# Altium PCB 5607.PcbDoc (part 3 of 6) (continued)
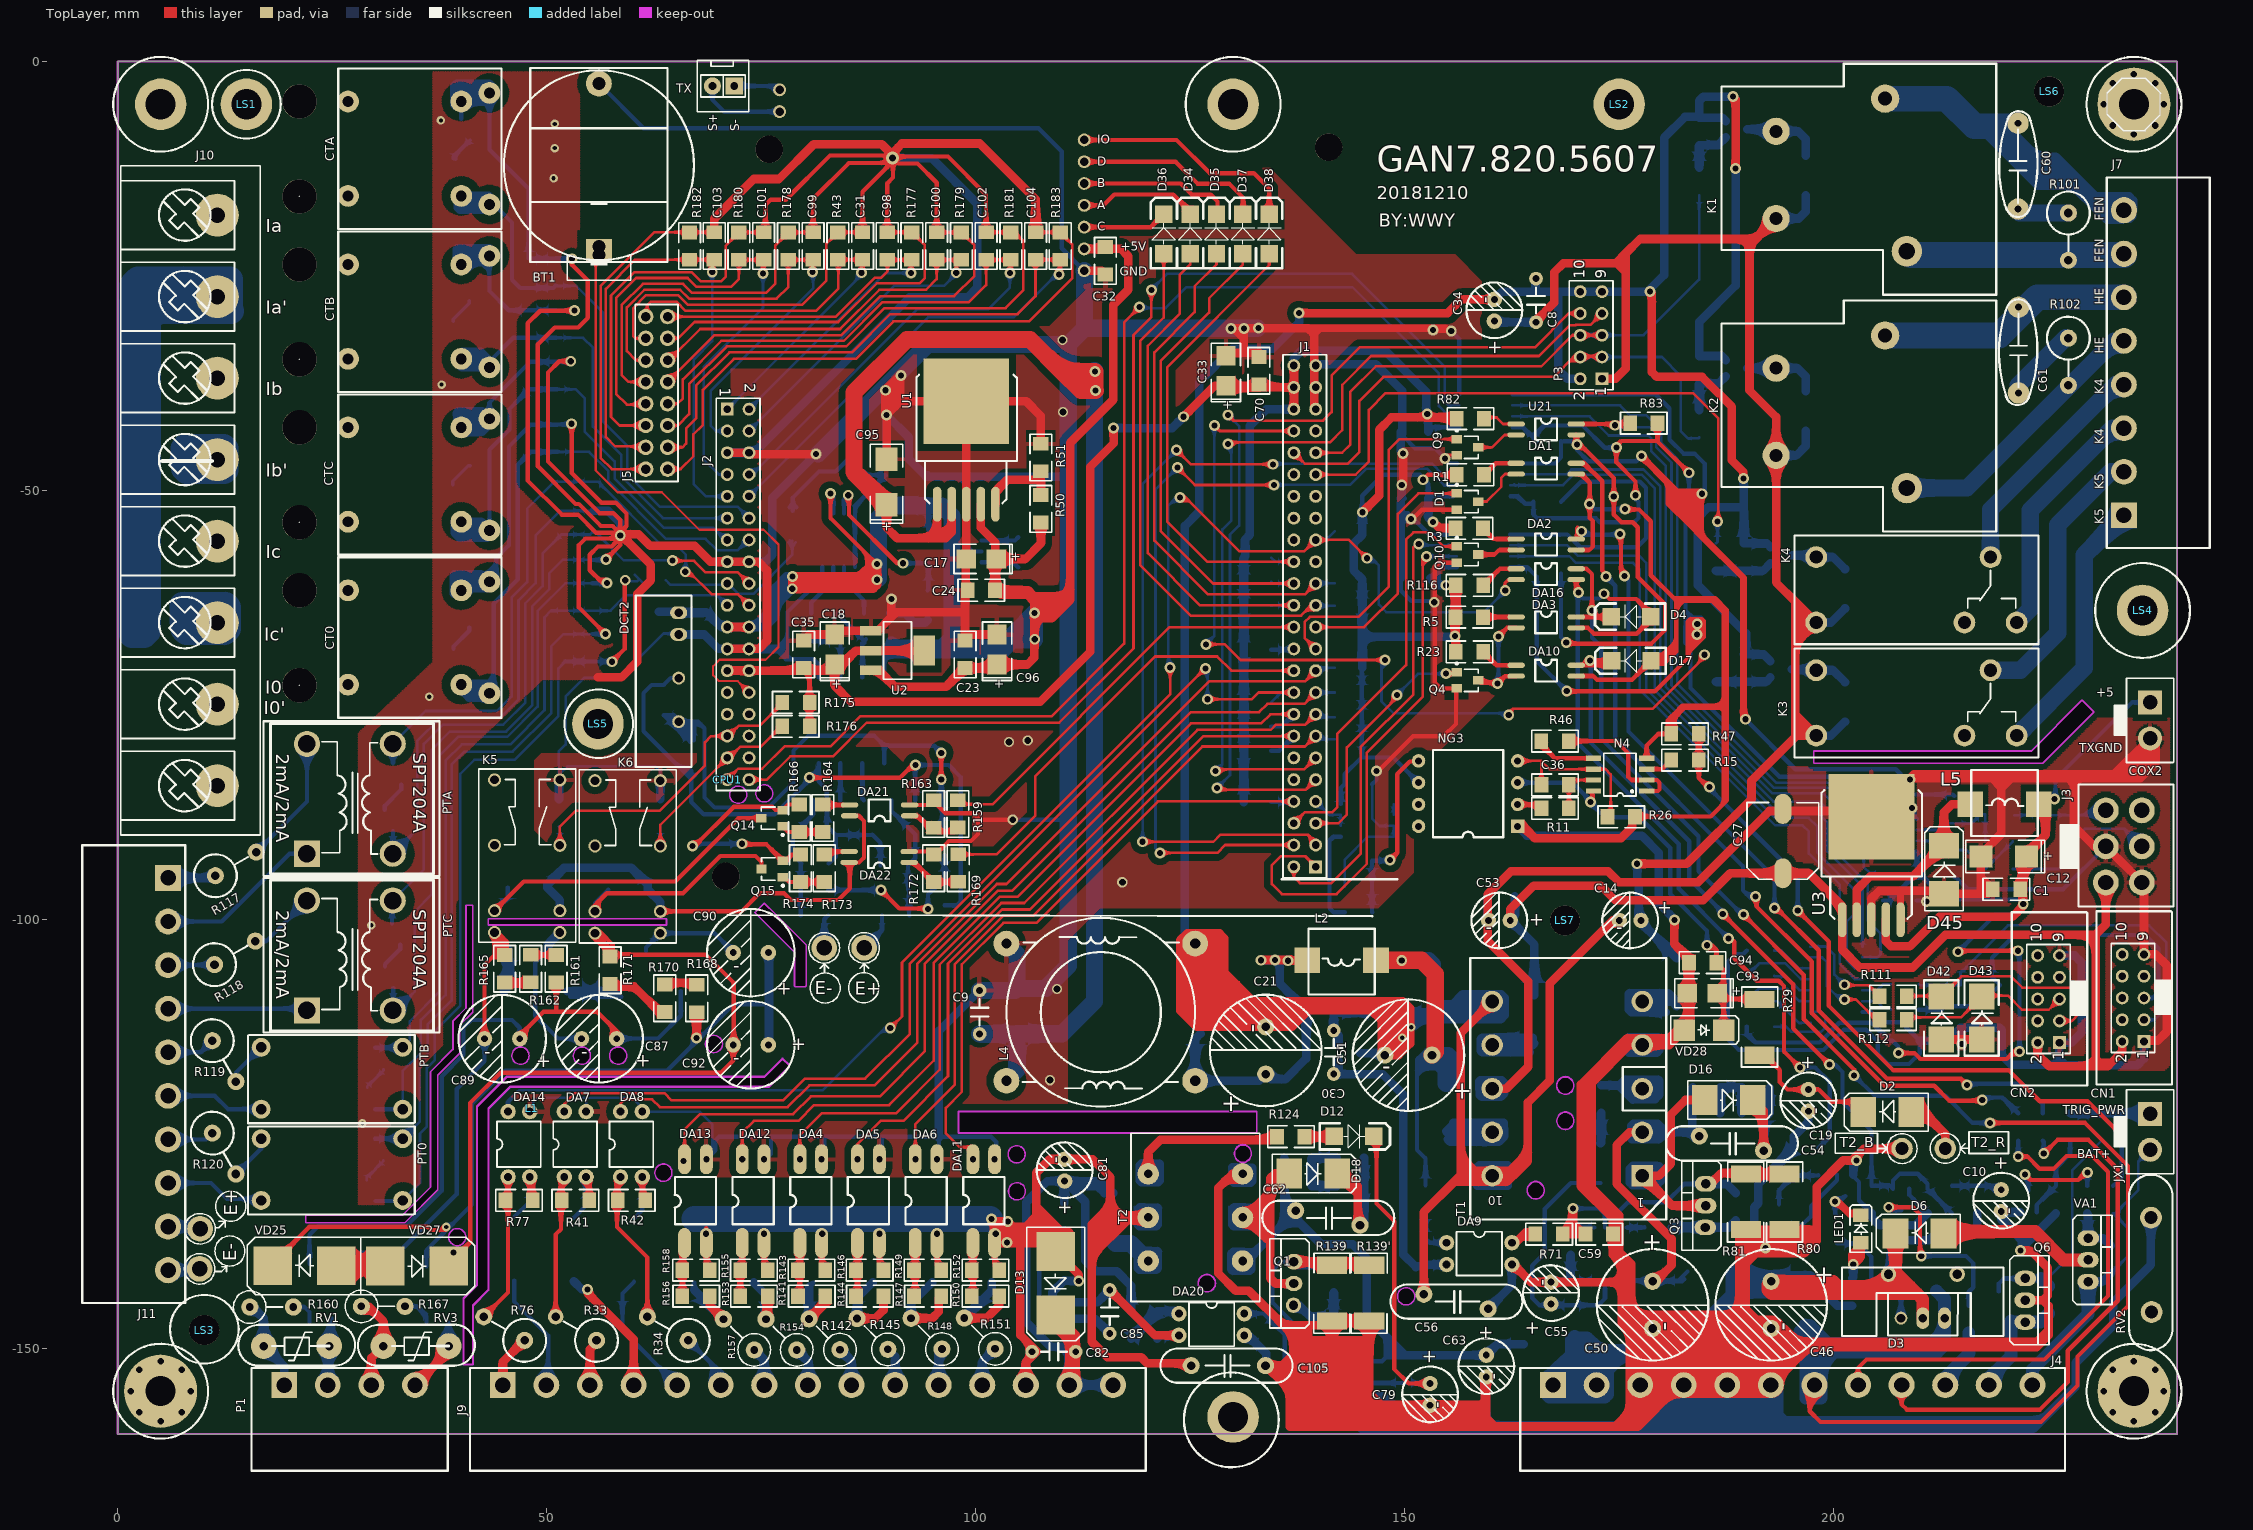
[diagram p0: TopLayer view]
## Nets (pads, with @x,y where several pads share a name; then routed paths per layer and width w, separated by ;. In a path a pad name is that pad's centre, name@x,y a point inside that pad or via, vN(x,y) a via of type N, cw(c..) or ccw(c..) an arc to the next point about the centre after c; other vN are vias at no path point) (continued)
  BottomLayer w1: J4.2@172.364,-154.28 172.364,-153.035 173.634,-151.765 174.32,-151.079 175.387,-151.079 ; 173.634,-152.984 173.634,-152.832 175.387,-151.079 ; 188.138,-143.764 188.217,-143.685 189.792,-143.685 ; D5.1@196.672,-141.701 196.697,-141.726 D5.1@198.148,-143.177 ; R7.2@202.184,-145.034 200.431,-145.034 199.082,-143.685 198.656,-143.685 ; D3.5@206.388,-141.351 206.578,-141.161 206.578,-139.014 208.178,-137.414 211.074,-137.414 211.684,-136.804 215.9,-136.804 216.713,-135.992 R17.2@216.713,-134.289 ; 175.387,-151.079 182.397,-151.079 189.792,-143.685 ; 189.792,-143.685 198.656,-143.685 ; 189.792,-143.685 190.3,-143.177 D5.1@198.148,-143.177 ; D5.1@198.148,-143.177 198.656,-143.685
  BottomLayer w1.5: J4.2@172.364,-154.28 J4.2@171.196,-154.28 ; J4.2@172.364,-153.035 172.364,-151.536 171.069,-150.241 ; 173.634,-152.984 173.634,-155.372 173.33,-155.677 166.853,-155.677 166.624,-155.448 166.624,-153.568 J4.1@167.284,-152.908 ; 173.634,-152.832 173.634,-151.765 173.634,-150.241 ; 188.217,-143.685 188.576,-143.326 ; D5.1@196.672,-141.701 D5.1@196.647,-141.726 ; D5.1@197.205,-141.726 196.697,-141.726 D5.1@196.647,-141.726 ; J4.1@167.284,-152.908 J4.1@167.284,-154.28 168.808,-154.28 ; J4.1@167.284,-152.908 168.808,-151.384 ; 168.808,-154.28 168.808,-151.384 ; 168.808,-154.28 169.875,-154.28 ; 168.808,-151.384 169.449,-150.743 D7.1@169.449,-149.504 ; D7.1@169.449,-149.504 D7.1@169.875,-149.93 ; D7.1@169.449,-149.504 169.449,-148.99 D7.1@169.799,-148.641 ; D7.1@169.449,-149.504 D7.1@169.799,-149.155 ; D7.1@169.799,-149.155 D7.1@169.799,-148.641 ; D7.1@169.799,-149.155 D7.1@170.081,-148.872 ; D7.1@169.799,-148.641 169.824,-148.615 D7.1@170.081,-148.872 ; 169.875,-154.28 D7.1@169.875,-149.93 ; 169.875,-154.28 J4.2@171.196,-154.28 ; D7.1@169.875,-149.93 170.186,-150.241 171.069,-150.241 ; D7.1@170.081,-148.872 171.069,-149.86 171.069,-150.241 ; D7.1@170.081,-148.872 170.135,-148.819 171.247,-148.819 172.669,-150.241 ; 171.069,-150.241 171.069,-152.451 171.018,-152.502 171.018,-154.102 J4.2@171.196,-154.28 ; 171.069,-150.241 172.669,-150.241 ; 172.669,-150.241 173.634,-150.241 ; 173.634,-150.241 181.661,-150.241 188.138,-143.764 188.138,-141.484 D33.1@188.576,-141.046 ; 188.576,-143.326 189.052,-142.85 195.523,-142.85 D5.1@196.647,-141.726 ; 188.576,-143.326 D33.1@188.576,-141.046 ; D33.1@188.576,-141.046 189.256,-141.726 D5.1@196.647,-141.726
NB1: J1.42 R137.1 | length 103.8
  TopLayer w0.3: v1(126.822,-67.945) 129.032,-67.945 130.861,-69.774 v1(147.701,-69.774) ; v1@127.635,-42.266 128.449,-43.08 J1.42@137.084,-43.08 ; v1@162.128,-75.971 162.662,-75.438 178.918,-75.438 184.937,-69.418 v1(184.937,-69.164)
  BottomLayer w0.3: v1(126.822,-67.945) 127.813,-66.954 v1(127.813,-42.443) v1@127.635,-42.266 ; v1@147.523,-69.774 147.295,-70.002 147.295,-74.6 148.666,-75.971 v1@162.23,-75.971 ; v1@184.934,-69.168 v1(184.937,-69.164)
  other v1: 162.128,-76.2
NB2: J1.41
NBSC: J1.37 R93.1 | length 70.3
  TopLayer w0.3: J1.37@139.624,-48.16 144.296,-48.16 145.821,-46.634 145.821,-40.615 147.777,-38.659 183.591,-38.659 186.563,-41.631 186.563,-53.518 v1(186.461,-53.619)
  BottomLayer w0.3: R93.1@186.284,-56.185 186.461,-56.007 v1(186.461,-53.619)
NetC9_1: C9.1 C49.1 C95.1 L4.4 U1.1 U1.2 | length 171.3
  TopLayer w1: C95.1@89.611,-51.672 89.611,-54.331 90.868,-55.588 94.526,-55.588 ; U1.1@95.504,-51.613 95.504,-54.61 ; U1.2@97.202,-51.613 97.202,-54.868 ; 94.526,-55.588 95.504,-54.61 ; 94.526,-55.588 95.593,-55.588 ; 95.504,-54.61 95.504,-55.499 95.593,-55.588 ; 95.504,-54.61 95.762,-54.868 97.202,-54.868 ; 95.593,-55.588 96.482,-55.588 97.202,-54.868
  TopLayer w2: C95.1@89.611,-51.672 85.801,-47.862 85.801,-38.608 91.999,-32.41 106.324,-32.41 110.084,-36.17 ; 112.674,-37.186 112.827,-37.338 113.919,-37.338 ; v1@113.919,-38.329 113.919,-37.338 ; v1(113.944,-38.354) 112.268,-38.354 110.084,-36.17 ; 110.084,-36.17 v1(113.919,-36.17) 113.919,-37.338
  BottomLayer w2: C9.1@100.457,-113.36 104.809,-113.36 C49.1@104.826,-113.343 ; L4.4@103.579,-118.82 104.826,-117.574 C49.1@104.826,-113.343 ; v1(113.919,-36.17) 113.919,-36.093 113.843,-36.017 113.843,-109.55 110.05,-113.343 C49.1@104.826,-113.343
NetC10_1: C10.1 R17.1 R21.2 | length 5.9
  BottomLayer w0.5: R21.2@213.792,-131.064 219.075,-131.064 C10.1@219.532,-131.521
NetC11_2: C11.2 D17.2 DA10.4 Q13.1 R21.1 R24.2 | length 100.6
  TopLayer w0.5: DA10.4@169.997,-70.383 173.595,-70.383 D17.2@173.874,-70.104 ; v1(187.071,-99.365) 195.275,-107.569 195.275,-112.7 v1(199.517,-116.942) ; v1(171.577,-69.825) 172.339,-69.825 ; v1(171.577,-69.825) 171.602,-69.85 172.364,-69.85 ; v1(171.577,-69.825) 171.577,-69.952 171.704,-70.079 171.704,-70.104 D17.2@173.874,-70.104 ; 172.339,-69.825 174.103,-69.825 D17.2@174.128,-69.85 ; 172.339,-69.825 172.364,-69.85 ; 172.364,-69.85 172.568,-69.85 ; 172.364,-69.85 172.466,-69.952 172.568,-69.85 ; 172.568,-69.85 D17.2@174.128,-69.85 ; D17.2@173.874,-70.104 D17.2@174.128,-69.85
  BottomLayer w0.5: v1(171.577,-69.825) 171.704,-69.952 171.704,-79.451 183.159,-90.907 183.159,-95.301 v1@187.147,-99.289 ; v1(187.071,-99.365) v1@187.147,-99.365 ; v1(199.517,-116.942) 200.177,-116.942 201.041,-117.805 201.041,-121.285 204.419,-124.663 C11.2@204.419,-131.039 206.548,-131.039 Q13.1@206.924,-131.414 206.924,-130.439 207.721,-129.642 209.779,-129.642 210.947,-130.81 R24.2@210.947,-131.064 210.947,-131.419 R21.1@213.792,-134.264
NetC19_1: C19.1 D2.2 R29.2 | length 14.8
  TopLayer w0.5: R29.2@191.237,-116.027 192.176,-116.027 193.726,-117.577 193.726,-118.948 194.615,-119.837 198.272,-119.837 199.695,-121.26 D2.2@203.042,-121.26
NetC20_1: C20.1 D9.2 R30.1 R54.2 R56.1 | length 15
  BottomLayer w0.5: R56.1@90.144,-86.106 90.144,-87.314 D9.2@92.949,-90.119 92.949,-92.877 C20.1@92.1,-93.726 92.1,-96.545 R54.2@92.227,-96.672 92.227,-99.492 R30.1@92.278,-99.543
NetC29_2: C29.2 C55.1 D8.2 U6.7 | length 30
  BottomLayer w0.5: D8.2@172.822,-130.722 169.353,-130.722 166.319,-133.756 166.319,-138.913 164.871,-140.36 164.871,-144.145 165.71,-144.983 172.568,-144.983 173.355,-144.196 U6.7@173.355,-142.114
NetC30_1: C30.1 DA9.2 R88.1 TL1.1 | length 35.2
  BottomLayer w1: TL1.1@142.336,-116.545 142.336,-117.43 C30.1@141.732,-118.034 147.422,-118.034 149.835,-120.447 149.835,-139.065 151.308,-140.538 151.435,-140.411 R88.1@152.425,-140.411 152.597,-140.239 DA9.2@154.883,-140.239
NetC30_2: C30.2 R62.1 R90.2 TL1.2 | length 8.8
  BottomLayer w1: TL1.2@142.336,-114.645 142.336,-113.558 C30.2@141.732,-112.954 141.732,-110.998 R62.1@141.935,-110.795 142.011,-110.871 R90.2@146.558,-110.871
NetC36_1: C36.1 N4.6 NG3.4 R26.2 | length 19.4
  TopLayer w0.3: NG3.4@163.17,-81.534 165.913,-81.534 ; C36.1@165.938,-84.328 165.938,-81.56 165.913,-81.534 ; R26.2@173.635,-88.062 174.015,-87.681 174.015,-83.109 173.406,-82.499 N4.6@172.008,-82.499 166.878,-82.499 165.913,-81.534
NetC36_2: C36.2 N4.7 R11.2 | length 5.8
  TopLayer w0.3: R11.2@169.138,-87.071 C36.2@169.138,-84.328 169.697,-83.769 N4.7@172.008,-83.769
NetC37_1: C37.1 NG3.5 R48.2 R49.2 | length 21.6
  TopLayer w0.5: v1(148.285,-93.091) 149.123,-92.253 149.123,-83.083 150.597,-81.61 151.536,-81.61 NG3.5@151.613,-81.534
  BottomLayer w0.5: R48.2@146.227,-99.187 146.202,-99.162 146.202,-93.167 148.209,-93.167 v1(148.285,-93.091)
NetC40_1: C40.1 D10.2 R58.2 R73.1 R84.1 | length 14.9
  BottomLayer w0.5: R84.1@79.604,-99.543 R58.2@79.604,-96.596 79.604,-93.574 C40.1@79.68,-93.497 78.678,-92.496 D10.2@78.678,-90.17 81.026,-87.822 R73.1@81.026,-86.106
NetC50_1: C50.1 C54.2 D33.2 R66.2 R67.2 T1.2 U6.5 | length 57.7
  TopLayer w1: T1.2@177.698,-124.816 176.2,-124.816 174.701,-126.314 174.701,-130.835 181.102,-137.236 181.102,-140.335 179.248,-142.189 C50.1@178.892,-142.189
  BottomLayer w0.5: U6.5@175.895,-142.114 178.817,-142.114 C50.1@178.892,-142.189 ; D33.2@182.575,-141.935 182.321,-142.189 C50.1@178.892,-142.189 ; D33.2@182.976,-141.046 181.907,-142.114 178.967,-142.114 C50.1@178.892,-142.189
  BottomLayer w1: T1.2@177.698,-124.816 180.416,-124.816 ; 180.848,-124.816 180.416,-124.816 ; R66.2@183.566,-119.583 183.541,-119.609 R67.2@183.541,-122.606 183.541,-124.465 C54.2@184.337,-125.261 ; C54.2@183.892,-124.816 180.416,-124.816 ; 180.416,-124.816 179.502,-123.901 179.502,-123.85 176.657,-123.85 176.454,-124.054 176.428,-124.054 176.428,-125.578 176.479,-125.628 179.603,-125.628 180.416,-124.816
NetC54_1: C54.1 D16.2 R68.1 R69.1 | length 14
  TopLayer w1: D16.2@190.582,-121.056 191.837,-122.311 C54.1@191.837,-126.961
  BottomLayer w1: C54.1@191.837,-126.961 191.837,-123.25 R69.1@192.481,-122.606 192.532,-122.555 R68.1@192.532,-119.634
NetC57_2: C57.2 U6.1 | length 2.7
  BottomLayer w0.5: C57.2@169.342,-135.916 169.343,-135.914 U6.1@172.085,-135.914
NetC60_1: C60.1 R101.1 | length 5.7
  BottomLayer w2: C60.1@221.666,-17.678 R101.1@227.355,-17.678
NetC60_2: C60.2 J7.8 K1.2 | length 90.7
  BottomLayer w1: 217.119,-7.798 223.812,-14.491 227.874,-14.491 ; 221.031,-11.176 222.352,-11.176 225.973,-11.176 230.547,-15.75 232.234,-15.75 ; 226.478,-13.095 227.874,-14.491 ; 227.584,-13.208 227.584,-13.31 228.117,-13.843 ; J7.8@232.715,-18.136 J7.8@232.867,-18.288 ; J7.8@233.629,-18.466 231.877,-18.466 230.886,-17.475 ; J7.8@233.832,-17.348 J7.8@233.07,-16.586 ; J7.8@233.934,-17.374 233.883,-17.424 233.883,-17.475 231.038,-17.475 ; J7.8@234.493,-18.288 J7.8@232.867,-18.288 ; 227.874,-14.491 230.858,-17.475 230.886,-17.475 ; 227.874,-14.491 228.117,-14.491 ; 228.117,-14.491 228.117,-14.707 230.886,-17.475 ; 228.117,-14.491 228.117,-13.843 ; 228.117,-14.491 228.765,-14.491 ; 228.117,-13.843 228.765,-14.491 ; 228.765,-14.491 230.861,-16.586 J7.8@233.07,-16.586 ; 230.886,-17.475 231.038,-17.475 ; 231.038,-17.475 231.851,-18.288 J7.8@232.867,-18.288 ; 232.234,-15.75 J7.8@233.07,-16.586 ; 232.234,-15.75 234.444,-15.75 234.899,-16.205 234.899,-17.374 234.798,-17.475 234.798,-18.034 234.518,-18.313 234.518,-18.339 232.918,-18.339 J7.8@232.867,-18.288
  BottomLayer w3: K1.2@205.994,-4.343 213.182,-4.343 216.408,-7.569 218.745,-7.569 ; C60.2@220.497,-7.569 218.745,-7.569 ; 226.478,-13.095 224.271,-13.095 222.352,-11.176 218.745,-7.569
NetC61_1: C61.1 J7.6 K2.2 | length 29.7
  BottomLayer w3: K2.2@205.994,-31.953 219.304,-31.953 223.749,-27.508 J7.6@233.832,-27.508
NetC61_2: C61.2 R102.1 | length 7.8
  BottomLayer w2: C61.2@221.513,-37.744 R102.1@227.051,-32.207
NetC62_1: C62.1 D18.2 R128.1 R129.1 | length 19.1
  TopLayer w1: C62.1@144.796,-135.648 144.551,-135.403 144.551,-132.023 ; 144.551,-132.023 D18.2@142.144,-129.616 143.078,-129.616 144.551,-131.089 144.551,-132.023
  BottomLayer w1: C62.1@144.796,-135.648 145.262,-135.182 R128.1@145.262,-131.089 R129.1@145.262,-127.787
NetC62_2: C62.2 C63.1 D7.2 R126.2 R127.2 T2.1 U10.5 | length 86.5
  BottomLayer w0.5: U10.5@145.086,-151.511 147.345,-151.511 147.803,-151.054 ; 147.726,-148.514 147.803,-148.59 147.803,-151.054 ; 148.336,-149.123 148.184,-149.276 148.184,-150.292 ; 148.831,-149.619 148.831,-149.644 148.184,-150.292 ; 149.085,-149.873 148.666,-150.292 ; 149.441,-150.228 149.377,-150.292 148.666,-150.292 ; 150.012,-150.8 149.885,-150.673 148.184,-150.673 ; 150.19,-151.054 148.184,-151.054 ; 147.803,-151.054 148.184,-151.054 ; 148.184,-151.054 148.184,-150.673 ; 148.184,-150.673 148.184,-150.292 ; 148.184,-150.292 148.666,-150.292
  BottomLayer w1: 129.896,-140.259 129.794,-140.157 ; T2.1@130.988,-139.954 131.417,-139.954 135.966,-135.405 ; R126.2@135.966,-127.787 R127.2@135.966,-131.089 135.966,-132.618 ; C62.2@137.296,-133.948 135.966,-132.618 ; 147.726,-148.514 145.593,-146.38 145.593,-139.548 143.916,-137.871 140.284,-137.871 137.77,-135.357 ; 147.803,-148.59 148.336,-149.123 148.831,-149.619 149.085,-149.873 149.441,-150.228 149.885,-150.673 ; 150.012,-150.8 C63.1@159.512,-150.8 160.808,-149.504 D7.2@163.849,-149.504 ; 129.794,-140.157 129.794,-138.989 130.023,-138.76 T2.1@130.505,-138.76 ; 129.794,-140.157 129.794,-140.792 129.972,-140.97 131.928,-140.97 132.105,-140.792 132.105,-138.811 130.556,-138.811 T2.1@130.505,-138.76 ; 129.794,-140.157 130.593,-140.157 130.746,-140.005 131.953,-140.005 132.08,-140.132 132.08,-139.573 131.267,-138.76 T2.1@130.505,-138.76 ; 135.966,-135.405 135.966,-132.618 ; 135.966,-135.405 137.722,-135.405 137.77,-135.357 ; 135.966,-135.405 137.296,-134.075 137.296,-134.883 137.77,-135.357
NetC68_2: C68.2 U11.2 | length 9.6
  BottomLayer w0.3: C68.2@193.065,-112.497 194.462,-112.497 195.047,-113.081 198.577,-113.081 199.009,-112.649 199.009,-111.303 198.501,-110.795 U11.2@197.3,-110.795
NetC69_1: C69.1 U11.1 | length 5.3
  BottomLayer w0.3: C69.1@193.04,-109.542 193.413,-109.542 195.936,-112.065 U11.1@197.3,-112.065
NetC69_2: C69.2 U11.3 | length 8.7
  BottomLayer w0.3: C69.2@189.84,-109.542 191.305,-108.077 194.539,-108.077 195.986,-109.525 U11.3@197.3,-109.525
NetC71_2: C71.2 U11.6 | length 5.1
  BottomLayer w0.3: C71.2@193.065,-103.632 193.878,-103.632 195.961,-105.715 U11.6@197.3,-105.715
NetC73_1: C73.1 U11.5 | length 8.8
  BottomLayer w0.3: C73.1@189.865,-106.587 191.347,-105.105 194.31,-105.105 196.19,-106.985 U11.5@197.3,-106.985
NetC73_2: C73.2 U11.4 | length 4.9
  BottomLayer w0.3: C73.2@193.065,-106.587 193.133,-106.655 194.412,-106.655 196.012,-108.255 U11.4@197.3,-108.255
NetC77_1: C77.1 PT0.1 R12.1 R115.2 VD21.3 | length 95.8
  TopLayer w0.5: v1(57.607,-69.977) 59.08,-68.504 59.08,-60.274 59.157,-60.198 v1(59.157,-60.477)
  BottomLayer w0.3: VD21.3@29.997,-132.898 VD21.3@30.054,-132.842 ; PT0.1@33.122,-132.842 35.23,-130.734 35.23,-124.966 36.043,-124.153 36.043,-117.323 36.957,-116.408 36.957,-113.005 39.929,-110.033 39.929,-83.033 41.554,-81.407 46.228,-81.407 51.359,-76.276 51.359,-70.739 R115.2@52.172,-69.926 ; v1@59.258,-60.604 60.528,-60.604 60.655,-60.477 R12.1@60.681,-60.477 ; R12.1@60.274,-59.842 R12.1@61.292,-60.86
  BottomLayer w0.5: VD21.3@30.054,-132.842 PT0.1@33.122,-132.842 ; R115.2@52.172,-69.926 52.197,-69.951 C77.1@55.296,-69.951 57.581,-69.951 v1(57.607,-69.977)
NetC79_1: C79.1 C80.2 D12.2 U10.7 | length 40.9
  TopLayer w0.5: D12.2@146.394,-125.298 146.71,-125.614 146.71,-133.121 148.768,-135.179 148.768,-152.4 150.47,-154.102 C79.1@152.959,-154.102
  BottomLayer w0.5: U10.7@145.086,-154.051 C79.1@152.959,-154.051
NetC84_2: C84.2 U10.1 | length 3.8
  BottomLayer w0.5: U10.1@138.886,-155.321 138.886,-157.479 139.37,-157.963 C84.2@140.361,-157.963
NetC85_1: C85.1 DA20.2 R134.1 TL2.1 | length 18.1
  TopLayer w1: C85.1@115.621,-143.205 120.91,-148.494 DA20.2@123.87,-148.494
  BottomLayer w1: TL2.1@111.435,-144.643 114.183,-144.643 C85.1@115.621,-143.205 ; R134.1@121.158,-148.869 121.533,-148.494 DA20.2@123.87,-148.494
NetC85_2: C85.2 R130.1 R140.2 TL2.2 | length 22.5
  BottomLayer w0.5: R140.2@110.312,-138.887 110.261,-138.836 108.661,-138.836 107.417,-140.081 107.417,-146.71 108.356,-147.65 110.328,-147.65 TL2.2@111.435,-146.543
  BottomLayer w1: R140.2@110.312,-138.887 R130.1@110.312,-136.271 ; TL2.2@111.435,-146.543 113.878,-146.543 C85.2@115.621,-148.285
NetC87_1: C87.1 C89.1 D30.1 R161.2 VD4.2 | length 78.7
  TopLayer w0.5: C89.1@46.881,-113.741 46.881,-113.52 49.632,-110.769 55.88,-110.769 58.159,-113.048 C87.1@58.159,-113.894 ; 51.105,-110.744 R161.2@51.105,-107.493
  BottomLayer w0.5: D30.1@22.342,-140.145 22.342,-136.764 23.317,-135.788 33.604,-135.788 37.77,-131.623 37.77,-118.313 40.31,-115.773 40.31,-112.624 41.202,-111.732 45.946,-111.732 46.856,-112.642 C89.1@46.856,-113.919 ; C87.1@58.159,-113.894 62.967,-113.894 65.625,-111.235 VD4.2@65.625,-108.357
NetC87_2: C87.2 K5.1 VD23.2 | length 17.4
  BottomLayer w0.5: VD23.2@50.154,-103.556 48.666,-105.043 48.666,-111.252 51.308,-113.894 C87.2@54.059,-113.894
  BottomLayer w1: VD23.2@50.154,-103.556 50.154,-102.916 K5.1@51.537,-101.533
NetC89_2: C89.2 D30.3 K5.16 R165.1 VD23.1 VD24.2 | length 65.2
  TopLayer w0.5: C89.2@42.756,-113.919 42.756,-105.301 43.675,-104.381 ; K5.16@43.917,-101.533 43.917,-104.14 ; R165.1@44.602,-104.47 44.577,-104.496 44.552,-104.496 44.437,-104.381 43.675,-104.381 ; R165.1@44.983,-104.064 44.907,-104.14 43.917,-104.14 ; 43.675,-104.381 43.917,-104.14
  TopLayer w1: K5.16@43.917,-101.533 44.649,-102.265 ; R165.1@44.247,-103.759 44.649,-103.357 44.649,-102.265 ; R165.1@45.085,-104.191 R165.1@45.085,-104.165 45.085,-102.701 44.649,-102.265
  BottomLayer w0.5: D30.3@24.882,-140.145 24.882,-139.761 25.781,-138.862 32.69,-138.862 39.522,-132.029 39.522,-119.786 42.756,-116.553 C89.2@42.756,-113.919
  BottomLayer w1: K5.16@43.917,-101.533 43.917,-101.919 VD23.1@45.554,-103.556 45.554,-107.82 VD24.2@44.992,-108.382
NetC90_1: C90.1 C92.1 D31.1 R168.2 VD25.2 | length 107.2
  TopLayer w0.5: VD25.2@17.992,-140.183 22.335,-135.839 36.144,-135.839 36.525,-136.22 38.252,-136.22 v2@38.43,-136.042 ; v1@67.208,-113.741 v1@67.208,-113.665 ; v1@67.716,-113.868 67.716,-111.048 R168.2@67.488,-110.82 67.488,-113.386 v1@67.437,-113.436 ; v1@67.208,-113.665 67.031,-113.843 v1(67.437,-113.843) v1@67.437,-113.436 ; v1@67.208,-113.665 67.208,-111.074 67.437,-111.303 v1@67.437,-113.436 ; v1@67.208,-113.665 v1@67.437,-113.436
  BottomLayer w0.5: D31.1@35.992,-140.437 35.992,-138.557 41.304,-133.245 41.304,-121.485 45.161,-117.627 64.059,-117.627 71.78,-109.906 75.71,-109.906 75.913,-109.703 ; C92.1@75.87,-114.597 75.87,-113.658 75.913,-113.614
  BottomLayer w1: C92.1@75.837,-114.63 75.87,-114.597 75.913,-114.554 75.913,-113.614 75.913,-109.703 C90.1@75.913,-103.886
  other v2: 38.303,-135.865
NetC90_2: C90.2 K6.1 VD26.2 | length 12.3
  BottomLayer w0.5: VD26.2@61.584,-103.708 61.584,-103.272 K6.1@63.246,-101.609 69.536,-101.609 C90.2@71.813,-103.886
NetC92_2: C92.2 D31.3 K6.16 R171.1 VD26.1 VD27.2 | length 91.8
  TopLayer w0.5: v1(39.116,-138.811) 39.903,-138.811 41.072,-137.643 41.072,-121.412 44.602,-117.881 70.297,-117.881 71.737,-116.441 C92.2@71.737,-114.63 71.806,-114.561 71.806,-107.366 71.755,-107.366 68.504,-104.115 R171.1@57.658,-104.115 ; R171.1@57.023,-104.165 57.023,-103.607 55.626,-102.21 K6.16@55.626,-101.609 ; R171.1@57.658,-104.165 R171.1@57.658,-104.115 ; K6.16@55.626,-101.609 57.379,-103.362 R171.1@57.379,-104.343 57.607,-104.115 R171.1@57.658,-104.115 ; K6.16@55.626,-101.609 56.346,-101.609 57.658,-102.921 R171.1@57.658,-104.115
  BottomLayer w0.5: D31.3@38.532,-140.437 38.532,-139.395 v1(39.116,-138.811) ; K6.16@55.626,-101.609 56.984,-102.967 VD26.1@56.984,-103.708 ; C92.2@71.737,-115.08 C92.2@71.737,-114.63
NetC97_1: C97.1 U13.2 | length 4.4
  BottomLayer w0.5: U13.2@100.687,-55.855 104.574,-55.855 C97.1@104.953,-55.476
NetC97_2: C97.2 U13.4 | length 4.5
  BottomLayer w0.5: U13.4@100.687,-58.395 104.371,-58.395 C97.2@104.953,-58.976
NetCN1_3: CN1.3 D40.2 R108.2 | length 44.2
  BottomLayer w0.3: R108.2@209.931,-107.569 210.022,-107.66 D40.2@214.782,-107.66 214.782,-106.248 220.32,-100.711 236.779,-100.711 238.785,-102.718 238.785,-110.312 237.388,-111.709 CN1.3@236.169,-111.709
NetCN1_5: CN1.5 D41.2 R109.2 | length 42.4
  BottomLayer w0.5: R109.2@209.931,-110.541 212.573,-110.541 212.979,-110.134 216.916,-110.134 219.38,-107.671 D41.2@219.38,-107.66 218.465,-106.745 218.465,-104.47 221.107,-101.829 236.322,-101.829 237.871,-103.378 237.871,-108.483 237.185,-109.169 CN1.5@236.169,-109.169
NetCN2_3: CN2.3 D42.2 R111.2 | length 26.8
  TopLayer w0.3: R111.2@208.534,-108.941 212.482,-108.941 D42.2@212.547,-109.006 214.899,-106.655 220.675,-106.655 221.996,-107.975 227.787,-107.975 228.6,-108.788 228.6,-110.998 227.762,-111.836 CN2.3@226.314,-111.836
NetCN2_5: CN2.5 D43.2 R112.2 | length 20.3
  TopLayer w0.3: R112.2@208.534,-112.09 209.194,-111.43 214.822,-111.43 D43.2@217.246,-109.006 217.362,-108.89 220.294,-108.89 221.945,-110.541 225.069,-110.541 CN2.5@226.314,-109.296
NetD1_3: D1.3 DA1.2 | length 6.4
  TopLayer w0.3: D1.3@158.578,-51.308 159.537,-51.308 161.265,-49.581 161.265,-48.514 161.671,-48.108 DA1.2@162.997,-48.108
NetD3_1: D3.1 R6.1 R8.2 | length 19.2
  BottomLayer w0.5: R8.2@200.406,-137.769 200.432,-137.795 202.844,-137.795 204.394,-139.344 204.394,-143.027 204.699,-143.332 206.908,-143.332 ; D3.1@207.848,-146.482 207.848,-144.272 ; 206.908,-143.332 207.493,-143.332 ; 206.908,-143.332 207.848,-144.272 ; 207.493,-143.332 207.848,-143.688 ; 207.493,-143.332 207.874,-143.332 ; 207.848,-144.272 R6.1@208.788,-143.332 207.874,-143.332 ; 207.848,-144.272 207.848,-143.688 ; 207.848,-143.688 207.848,-143.358 207.874,-143.332
NetD6_1: D6.1 VA1.2 | length 18.3
  TopLayer w1.5: D6.1@212.807,-136.601 213.011,-136.398 223.495,-136.398 226.797,-139.7 VA1.2@229.652,-139.7
NetD8_1: D8.1 R70.1 | length 3.6
  BottomLayer w1: D8.1@172.822,-126.122 172.898,-126.046 R70.1@172.898,-122.555
NetD11_1: D11.1 T1.9 | length 46.6
  BottomLayer w1: D11.1@155.016,-125.628 155.321,-125.933 160.858,-125.933 ; D11.1@155.981,-125.298 156.108,-125.425 T1.9@159.589,-125.425 ; 161.569,-124.485 161.544,-124.46 161.544,-124.333 ; D11.1@154.839,-124.72 D11.1@155.366,-124.72 ; D11.1@154.839,-124.72 D11.1@154.934,-124.816 ; D11.1@154.839,-124.72 155.651,-123.907 155.651,-123.749 155.677,-123.723 161.519,-123.723 161.544,-123.749 161.544,-124.333 ; D11.1@154.934,-124.816 T1.9@160.198,-124.816 ; D11.1@154.934,-124.816 156.001,-125.882 159.132,-125.882 ; D11.1@155.366,-124.72 156.108,-123.977 161.188,-123.977 161.544,-124.333 ; D11.1@155.366,-124.72 160.103,-124.72 T1.9@160.198,-124.816 ; 159.132,-125.882 T1.9@159.589,-125.425 ; 159.132,-125.882 160.807,-125.882 160.858,-125.933 ; T1.9@159.589,-125.425 T1.9@160.198,-124.816 ; T1.9@160.198,-124.816 160.681,-125.298 161.62,-125.298 ; 160.858,-125.933 160.985,-125.933 161.62,-125.298 ; 161.544,-124.333 161.62,-124.409 161.62,-125.298
NetD12_1: D12.1 R124.1 | length 11.1
  TopLayer w0.5: R124.1@138.328,-125.324 D12.1@141.769,-125.324 ; R124.1@138.328,-125.324 138.557,-125.552 138.557,-125.679 141.413,-125.679 D12.1@141.769,-125.324 ; R124.1@138.328,-125.324 138.328,-125.146 138.455,-125.019 141.515,-125.019 D12.1@141.794,-125.298 D12.1@141.769,-125.324
NetD14_1: D14.1 T1.5 | length 17.1
  BottomLayer w1: T1.5@177.698,-109.576 181.147,-109.576 D14.1@181.712,-110.14 181.712,-109.601 180.721,-108.61 176.2,-108.61 176.149,-108.661 176.149,-110.541 176.428,-110.82 D14.1@180.442,-110.82
NetD15_1: D15.1 T2.6 | length 18.7
  BottomLayer w1: T2.6@119.011,-140.132 T2.6@118.909,-140.03 ; T2.6@118.909,-140.03 118.909,-138.862 119.138,-138.633 119.62,-138.633 ; T2.6@118.909,-140.03 118.909,-140.665 119.087,-140.843 121.043,-140.843 121.221,-140.665 121.221,-138.684 119.671,-138.684 119.62,-138.633 ; T2.6@118.909,-140.03 119.708,-140.03 119.861,-139.878 121.068,-139.878 121.195,-140.005 121.195,-139.446 120.382,-138.633 119.62,-138.633
  BottomLayer w2: D15.1@116.053,-137.496 116.326,-137.77 118.046,-137.77 T2.6@120.103,-139.827
NetD16_1: D16.1 Q3.2 T1.1 | length 36.4
  TopLayer w1: D16.1@184.982,-121.056 182.728,-121.056 181.026,-122.758 181.026,-128.499 179.629,-129.896 T1.1@177.698,-129.896 181.178,-133.375 Q3.2@185.079,-133.375
  BottomLayer w1: T1.1@177.698,-129.896 178.791,-128.803 179.451,-128.803 ; 179.578,-128.88 179.527,-128.88 179.451,-128.803 ; 179.451,-128.803 179.349,-128.702 176.606,-128.702 176.251,-129.057 176.251,-130.683 176.555,-130.988 179.349,-130.988 179.832,-130.505 179.832,-128.956 179.68,-128.803 179.451,-128.803
NetD18_1: D18.1 Q1.2 T2.2 | length 55.2
  TopLayer w1: T2.2@131.103,-134.747 T2.2@131.413,-134.747 ; 133.591,-135.445 133.528,-135.382 ; 134.976,-130.327 134.976,-130.708 D18.1@135.214,-130.947 ; Q1.2@137.073,-142.469 134.976,-142.469 134.341,-141.834 134.341,-137.312 ; T2.2@131.413,-134.747 132.893,-134.747 ; T2.2@131.413,-134.747 134.341,-131.82 ; T2.2@131.413,-134.747 133.274,-136.607 ; 132.893,-134.747 132.715,-134.925 132.715,-135.331 133.02,-135.636 133.274,-135.382 ; 132.893,-134.747 132.893,-134.112 132.842,-134.061 132.842,-134.036 133.02,-133.858 133.198,-133.858 133.198,-133.756 133.655,-133.299 133.68,-133.325 133.731,-133.325 133.731,-134.772 133.325,-135.179 ; 132.893,-134.747 133.274,-135.128 ; 133.274,-136.607 133.274,-135.382 ; 133.274,-136.607 133.588,-136.922 ; 133.274,-135.382 133.274,-135.128 ; 133.274,-135.382 133.388,-135.268 133.413,-135.268 ; 133.274,-135.128 133.325,-135.179 ; 133.325,-135.179 133.413,-135.268 ; 133.413,-135.268 133.528,-135.382 ; 133.528,-135.382 133.807,-135.661 ; 133.588,-136.922 133.807,-136.703 133.807,-135.661 ; 133.588,-136.922 133.979,-137.312 134.341,-137.312 ; 133.807,-135.661 134.341,-136.195 ; 134.341,-137.312 134.341,-136.195 ; 134.341,-136.195 134.341,-131.82 ; 134.341,-131.82 134.341,-130.175 134.9,-129.616 D18.1@136.544,-129.616 D18.1@135.214,-130.947 ; 134.341,-131.82 D18.1@135.214,-130.947
  BottomLayer w1: T2.2@130.011,-135.052 T2.2@129.909,-134.95 ; T2.2@129.909,-134.95 129.909,-133.782 130.138,-133.553 130.62,-133.553 ; T2.2@129.909,-134.95 129.909,-135.585 130.087,-135.763 132.043,-135.763 132.221,-135.585 132.221,-133.604 130.671,-133.604 130.62,-133.553 ; T2.2@129.909,-134.95 130.708,-134.95 130.861,-134.798 132.068,-134.798 132.195,-134.925 132.195,-134.366 131.382,-133.553 130.62,-133.553
NetD19_1: D19.1 K3.5 Q2.3 | length 6.8
  BottomLayer w1: Q2.3@195.128,-70.866 197.866,-70.866 K3.5@197.968,-70.968 199.937,-70.968 D19.1@201.32,-72.351
NetD20_2: D20.2 R141.1 R142.2 | length 7.9
  TopLayer w1: R142.2@80.583,-146.573 82.479,-144.677 R141.1@82.479,-143.916
  BottomLayer w0.5: D20.2@80.583,-142.801 D20.2@81.051,-142.333
  BottomLayer w1: R142.2@80.583,-146.573 D20.2@80.583,-142.801
NetD21_2: D21.2 R144.1 R145.2 | length 10.1
  TopLayer w1: R145.2@86.171,-146.522 88.276,-146.522 89.25,-145.547 R144.1@89.25,-143.916
  BottomLayer w1: R145.2@86.171,-146.522 86.171,-144.147 D21.2@87.985,-142.333
NetD22_2: D22.2 R147.1 R148.2 | length 10.7
  TopLayer w1: R148.2@92.471,-146.496 94.931,-146.496 95.707,-145.72 95.707,-144.206 R147.1@95.997,-143.916
  BottomLayer w1: R148.2@92.471,-146.496 92.471,-144.782 D22.2@94.92,-142.333
NetD23_2: D23.2 R150.1 R151.2 | length 11.2
  TopLayer w1: R151.2@98.668,-146.471 101.281,-146.471 102.743,-145.009 R150.1@102.743,-143.916
  BottomLayer w1: R151.2@98.668,-146.471 101.854,-143.286 D23.2@101.854,-142.333
NetD24_2: D24.2 R153.1 R154.2 | length 7.6
  TopLayer w1: R154.2@75.554,-146.598 75.758,-146.395 R153.1@75.758,-143.916
  BottomLayer w1: D24.2@74.117,-142.333 75.554,-143.77 R154.2@75.554,-146.598
NetD25_2: D25.2 R156.1 R157.2 | length 9
  TopLayer w1: R156.1@69.012,-143.916 69.012,-145.008 R157.2@70.601,-146.598
  BottomLayer w0.5: D25.2@67.183,-143.18 D25.2@67.183,-142.333
  BottomLayer w1: D25.2@67.183,-143.18 R157.2@70.601,-146.598
NetD26_1: D26.1 K1.4 Q7.3 | length 9.2
  BottomLayer w1: Q7.3@189.921,-7.899 193.04,-7.899 K1.4@193.294,-8.153 195.859,-8.153 196.723,-9.017 D26.1@196.723,-10.984
NetD27_1: D27.1 K2.4 Q8.3 | length 8.9
  BottomLayer w1: Q8.3@189.921,-35.763 K2.4@193.294,-35.763 195.783,-35.763 196.723,-36.703 D27.1@196.723,-38.442
NetD28_1: D28.1 K5.15 Q14.3 | length 38.9
  TopLayer w0.5: K5.15@43.917,-98.993 47.329,-95.58 64.973,-95.58 72.339,-88.214 Q14.3@75.001,-88.214
  BottomLayer w0.5: K5.15@43.917,-98.993 45.452,-97.457 D28.1@45.452,-96.292
NetD29_1: D29.1 K4.5 Q5.3 | length 6.9
  BottomLayer w1: Q5.3@195.128,-57.556 197.739,-57.556 K4.5@197.968,-57.785 199.937,-57.785 D29.1@201.32,-59.168
NetD30_2: D30.2 R160.2 | length 3.4
  BottomLayer w0.5: R160.2@20.472,-145.186 21.768,-145.186 22.342,-145.76 D30.2@22.342,-146.937
  BottomLayer w1: R160.2@20.472,-144.932 R160.2@20.629,-144.932